# KiCad board v2_1.kicad_pcb (continued)
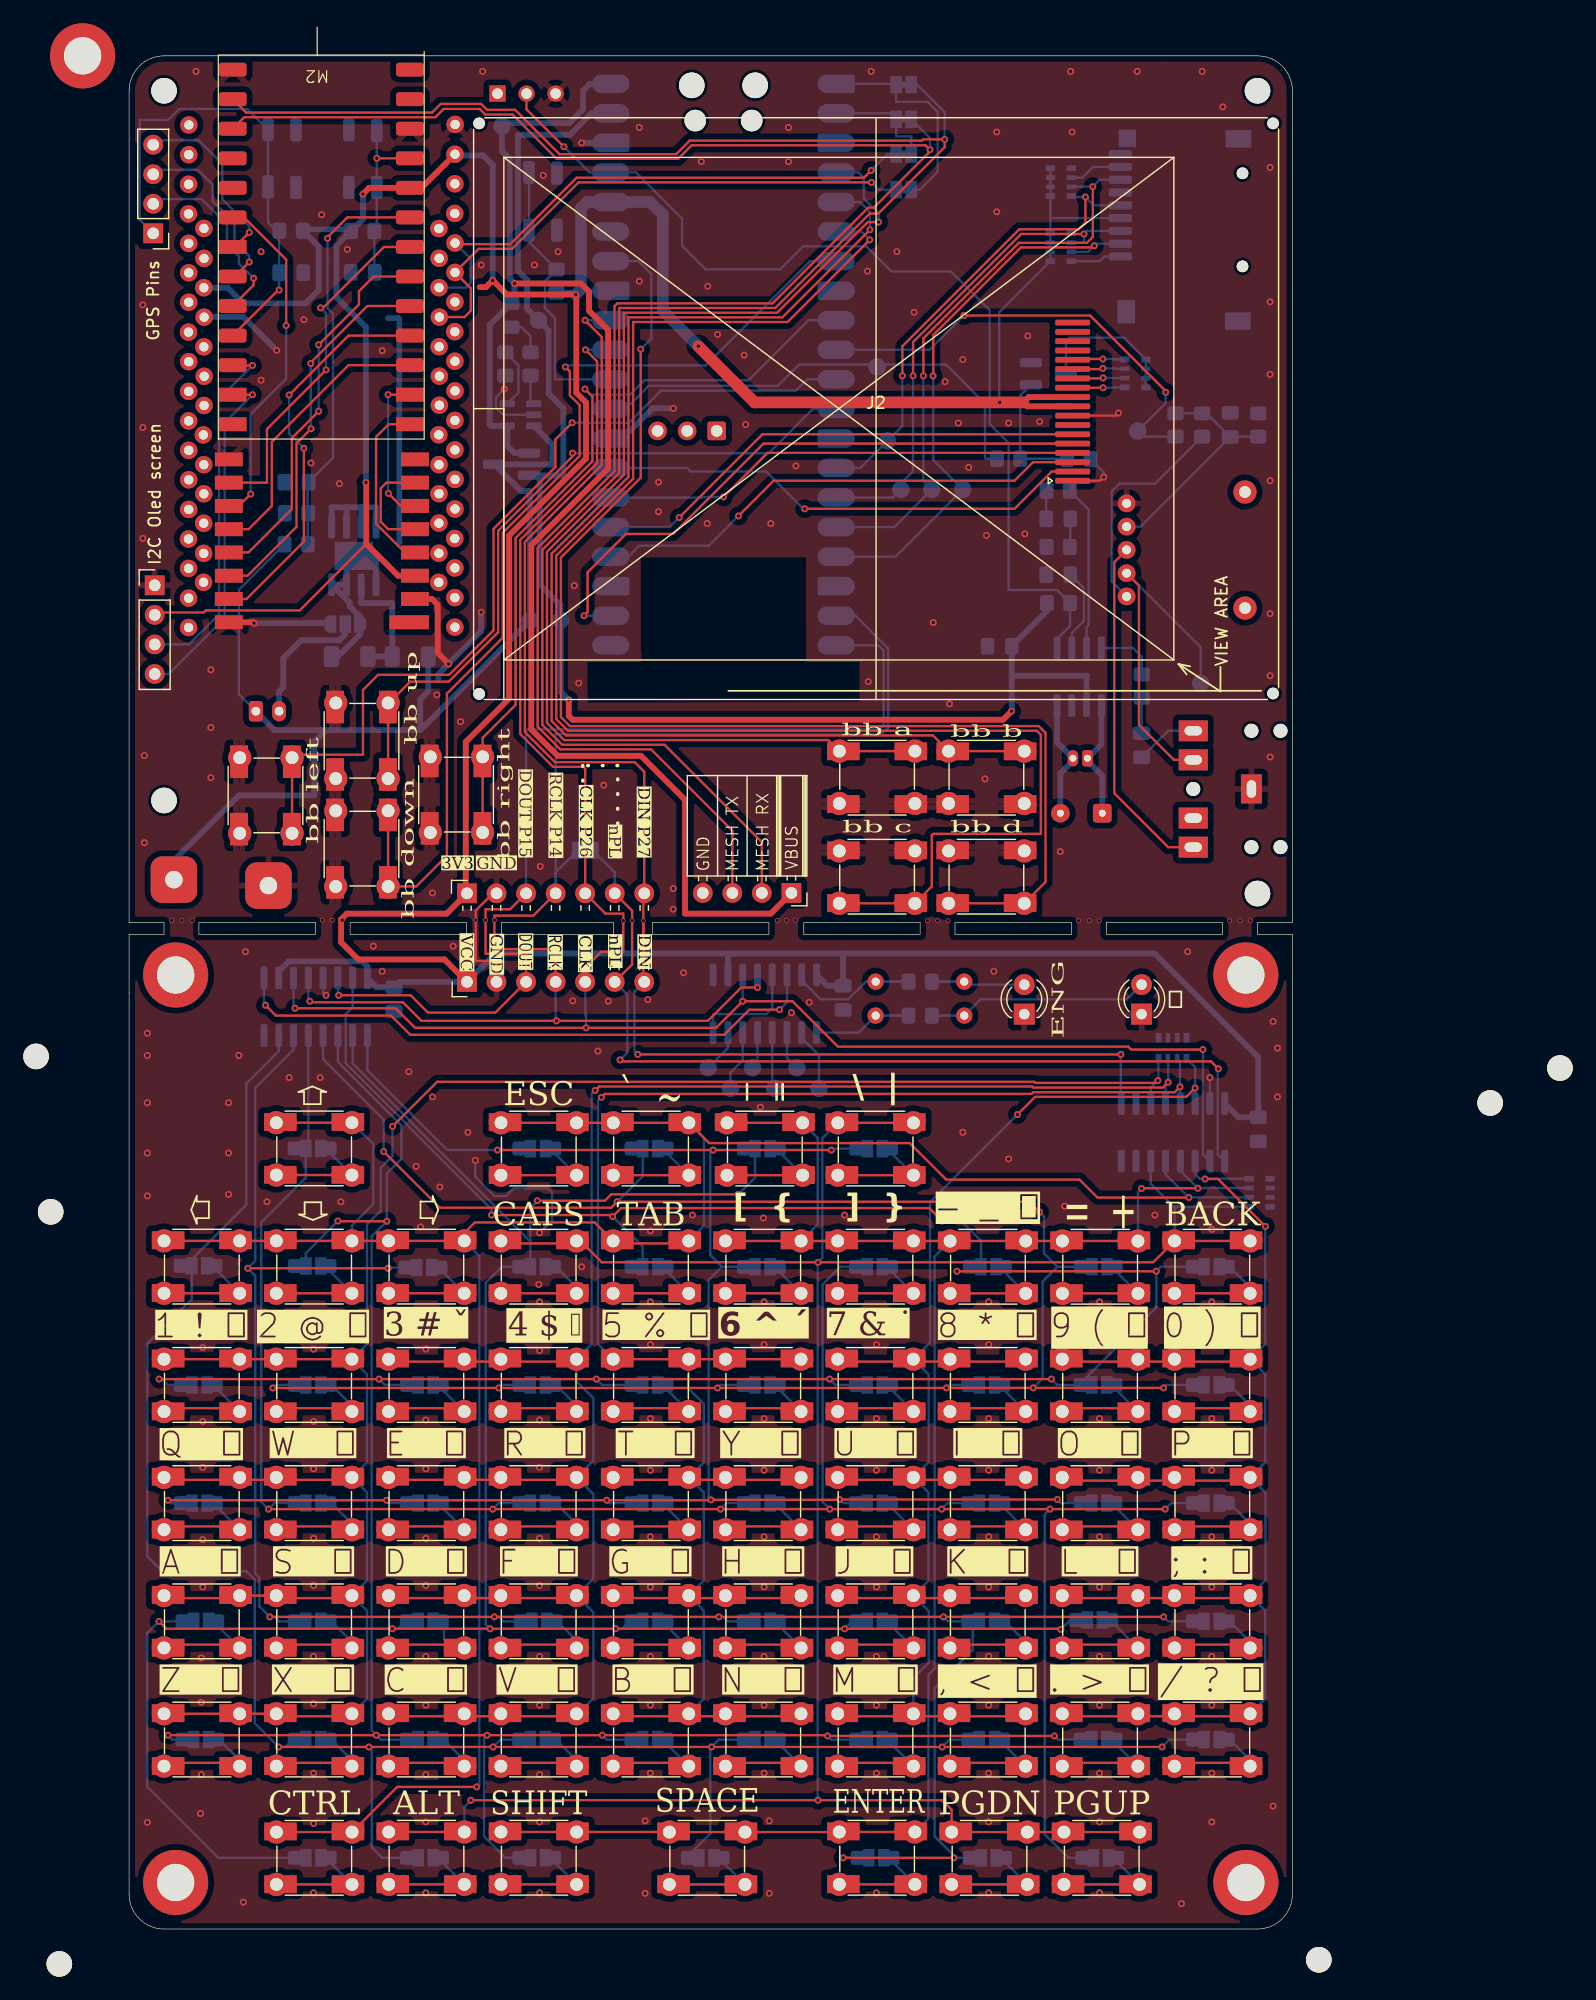
[diagram p0: board, top side]
## Footprints (pads in the part's own frame, mm; a bottom-side part is the same pattern mirrored in y, then rotated)
audiojack-3.5mm-5p
  round 1.2 hole 1.2 unplated: (-7.5,-5) (-7.5,5) (-5,-5) (-5,5) (0,0)
  rect 2.5x1.8 hole 1.5x0.8: R(0,5) RN(0,2.5) T(0,-5) TN(0,-2.5)
  rect 1.8x2.5 hole 0.8x1.5: S(-5,0)
C_0805_2012Metric_Pad1.18x1.45mm_HandSolder
  rrect 1.175x1.45 smd: 1(-1.038,0) 2(1.038,0)
C_1206_3216Metric_Pad1.33x1.80mm_HandSolder
  rrect 1.325x1.8 smd: 1(-1.562,0) 2(1.562,0)
D_0805_JUMPER
  rrect 0.9x1.2 smd: 1(-1.48,0) 2(1.82,0)
  rect 0.508x1.2 smd: 1(-0.935,0)
  rect 1x1.5 smd: 1(-0.584,0) 2(0.716,0)
  rect 0.635x1.2 smd: 2(1.288,0)
Hirose_DF13-02P-1.25DSA_1x02_P1.25mm_Vertical
  rrect 0.9x1.4 hole 0.6: 1(0,0)
  oval 0.9x1.4 hole 0.6: 2(1.25,0)
HT-RA62  RA-01SH LoRa radio
  rect 3.4x1.2 smd: 1(-7.22,13.919)
  rect 2.4x1.2 smd: 2(-7.72,11.919) 3(-7.72,9.919) 4(-7.72,7.919) 5(-7.72,5.919) 6(-7.72,3.919) 7(-7.72,1.919) 8(-7.72,-0.081) 9(8.28,-0.081) 10(8.28,1.919) 11(8.28,3.919) 12(8.28,5.919) 13(8.28,7.919) 14(8.28,9.919) 15(8.28,11.919) 16(8.28,13.919)
JST_PH_B2B-PH-K_1x02_P2.00mm_Vertical
  rrect 1.2x1.75 hole 0.75: 1(0,0)
  oval 1.2x1.75 hole 0.75: 2(2,0)
LED_0805_2012Metric_Pad1.15x1.40mm_HandSolder
  rrect 1.15x1.4 smd: 1(-1.025,0) 2(1.025,0)
LED_D3.0mm_Clear
  rect 1.8x1.8 hole 0.9: 1(0,0)
  round 1.8 hole 0.9: 2(2.54,0)
LoRa-ESP32-V3
  round 1.5 hole 0.8: 1(-11.44,22.96) 2(-11.45,20.4) 3(-11.46,17.86) 4(-11.47,15.31) 5(-11.45,12.78) 6(-11.45,10.25) 7(-11.45,7.72) 8(-11.47,5.15) 9(-11.45,2.61) 10(-11.45,0.06) 11(-11.46,-2.48) 12(-11.45,-5.01) 13(-11.45,-7.54) 14(-11.45,-10.09) 15(-11.47,-12.63) 16(-11.46,-15.16) 17(-11.46,-17.71) 18(-11.46,-20.24) 19(11.43,-20.21) 20(11.43,-17.67) 21(11.43,-15.12) 22(11.42,-12.59) 23(11.44,-10.05) 24(11.44,-7.51) 25(11.43,-4.97) 26(11.43,-2.44) 27(11.44,0.1) 28(11.43,2.65) 29(11.42,5.19) 30(11.43,7.75) 31(11.44,10.28) 32(11.44,12.81) 33(11.42,15.35) 34(11.43,17.9) 35(11.44,20.44) 36(11.45,23)
MountingHole_2.2mm_M2_DIN965
  round 2.2 hole 2.2 unplated: (0,0)
MountingHole_3.2mm_M3_DIN965_Pad
  round 5.6 hole 3.2: 1(0,0)
PinHeader_1x04_P2.54mm_Vertical
  rect 1.7x1.7 hole 1: 1(0,0)
  oval 1.7x1.7 hole 1: 2(0,-2.54) 3(0,-5.08) 4(0,-7.62)
PinHeader_1x07_P2.54mm_Horizontal
  rect 1.7x1.7 hole 1: 1(0,0)
  oval 1.7x1.7 hole 1: 2(0,-2.54) 3(0,-5.08) 4(0,-7.62) 5(0,-10.16) 6(0,-12.7) 7(0,-15.24)
PinSocket_1x04_P2.54mm_Horizontal
  rect 1.7x1.7 hole 1: 1(0,0)
  oval 1.7x1.7 hole 1: 2(0,-2.54) 3(0,-5.08) 4(0,-7.62)
PinSocket_1x07_P2.54mm_Horizontal
  rect 1.7x1.7 hole 1: 1(0,0)
  oval 1.7x1.7 hole 1: 2(0,-2.54) 3(0,-5.08) 4(0,-7.62) 5(0,-10.16) 6(0,-12.7) 7(0,-15.24)
potentiometre disk 5pin
  oval 1.524x1.524 hole 0.762: 1(-4,0) 2(-2,0) 3(4,0) 4(0,0) 5(2,0)
  oval 2x2 hole 1: 6(-5,10.175) 7(4.975,10.175)
ProMicro nrf52840
  rrect 2.4x1.2 smd: 1(7.264,-0.051) 2(7.264,2.489) 3(7.264,5.029) 4(7.264,7.569) 5(7.264,10.109) 6(7.264,12.649) 7(7.264,15.189) 8(7.264,17.729) 9(7.264,20.269) 10(7.264,22.809) 11(7.264,25.349) 16(-7.972,25.349) 17(-7.972,22.809) 18(-7.972,20.269) 19(-7.972,17.729) 20(-7.972,15.189) 21(-7.972,12.649) 22(-7.972,10.109) 23(-7.972,7.569) 24(-7.972,5.029) 25(-7.972,2.489) 26(-7.972,-0.051)
  rect 2.4x1.2 smd: 12(7.264,27.889) 13(7.264,30.429) 14(-7.972,30.429) 15(-7.972,27.889)
R_0805_2012Metric_Pad1.20x1.40mm_HandSolder
  rrect 1.2x1.4 smd: 1(-1,0) 2(1,0)
R_1206_3216Metric_Pad1.30x1.75mm_HandSolder
  rrect 1.3x1.75 smd: 1(-1.55,0) 2(1.55,0)
R_Array_Convex_4x0603
  rect 0.8x0.5 smd: 1(-0.9,1.2) 4(-0.9,-1.2) 5(0.9,-1.2) 8(0.9,1.2)
  rect 0.8x0.4 smd: 2(-0.9,0.4) 3(-0.9,-0.4) 6(0.9,-0.4) 7(0.9,0.4)
R_Axial_DIN0204_L3.6mm_D1.6mm_P7.62mm_Horizontal_0805
  round 1.4 hole 0.7: 1(0,0)
  rect 2x0.25 smd: 1(1.397,0) 2(6.223,0)
  rrect 1.2x1.4 smd: 1(2.826,0) 2(4.826,0)
  oval 1.4x1.4 hole 0.7: 2(7.62,0)
RaspberryPi_Pico_W_SMD_HandSolder
  rect 3.8x2.2 smd: (-8.89,-24.13) (-8.89,-21.59) (-8.89,-19.05) (-8.89,-16.51) (-8.89,-13.97) (-8.89,-11.43) (-8.89,-8.89) (-8.89,-6.35) (-8.89,-3.81) (-8.89,-1.27) (-8.89,1.27) (-8.89,3.81) (-8.89,6.35) (-8.89,8.89) (-8.89,11.43) (-8.89,13.97) (-8.89,16.51) (-8.89,19.05) (-8.89,21.59) (-8.89,24.13) (8.89,-24.13) (8.89,-21.59) (8.89,-19.05) (8.89,-16.51) (8.89,-13.97) (8.89,-11.43) (8.89,-8.89) (8.89,-6.35) (8.89,-3.81) (8.89,-1.27) (8.89,1.27) (8.89,3.81) (8.89,6.35) (8.89,8.89) (8.89,11.43) (8.89,13.97) (8.89,16.51) (8.89,19.05) (8.89,21.59) (8.89,24.13)
  round 2.2 hole 2.2 unplated: (-2.725,24) (2.725,24)
  round 1.85 hole 1.85 unplated: (-2.425,20.97) (2.425,20.97)
  custom 3.2x1.6 smd: 1(-9.69,24.13) 3(-9.69,19.05) 8(-9.69,6.35) 13(-9.69,-6.35) 18(-9.69,-19.05) 23(9.69,-19.05) 28(9.69,-6.35) 33(9.69,6.35) 38(9.69,19.05)
  rrect 3.2x1.6 smd: 2(-9.69,21.59) 4(-9.69,16.51) 5(-9.69,13.97) 6(-9.69,11.43) 7(-9.69,8.89) 9(-9.69,3.81) 10(-9.69,1.27) 11(-9.69,-1.27) 12(-9.69,-3.81) 14(-9.69,-8.89) 15(-9.69,-11.43) 16(-9.69,-13.97) 17(-9.69,-16.51) 19(-9.69,-21.59) 20(-9.69,-24.13) 21(9.69,-24.13) 22(9.69,-21.59) 24(9.69,-16.51) 25(9.69,-13.97) 26(9.69,-11.43) 27(9.69,-8.89) 29(9.69,-3.81) 30(9.69,-1.27) 31(9.69,1.27) 32(9.69,3.81) 34(9.69,8.89) 35(9.69,11.43) 36(9.69,13.97) 37(9.69,16.51) 39(9.69,21.59) 40(9.69,24.13)
  rrect 1.6x1.6 hole 1: D1(0.584,-5.7)
  round 1.6 hole 1: D2(3.124,-5.7) D3(5.664,-5.7)
sd-card
  rect 1.5x2 smd: (1.55,16.25)
  rect 1.5x1.5 smd: (1.65,1.35)
  rect 2.2x1.5 smd: (11.15,17.05) (11.2,1.4)
  round 1 hole 1 unplated: (11.55,4.35) (11.55,12.35)
  rrect 2x0.7 smd: 1(1.05,11.5) 2(1.05,10.4) 3(1.05,9.3) 4(1.05,8.2) 5(1.05,7.1) 6(1.05,6) 7(1.05,4.9) 8(1.05,3.8) 9(1.05,2.7)
skrp
  rrect 2x1 smd: 1(-0.95,3) 2(4,3) 3(-0.9,0.6) 4(4,0.6)
SOIC-8-1EP_3.9x4.9mm_P1.27mm_EP2.41x3.3mm
  rrect 0.97x1.33 smd: (-0.6,-0.825) (-0.6,0.825) (0.6,-0.825) (0.6,0.825)
  rrect 1.95x0.6 smd: 1(-2.475,1.905) 2(-2.475,0.635) 3(-2.475,-0.635) 4(-2.475,-1.905) 5(2.475,-1.905) 6(2.475,-0.635) 7(2.475,0.635) 8(2.475,1.905)
  rect 2.41x3.3 smd: 9(0,0)
SOIC-8_3.9x4.9mm_P1.27mm
  rrect 1.95x0.6 smd: 1(-2.475,1.905) 2(-2.475,0.635) 3(-2.475,-0.635) 4(-2.475,-1.905) 5(2.475,-1.905) 6(2.475,-0.635) 7(2.475,0.635) 8(2.475,1.905)
SOIC-16_3.9x9.9mm_P1.27mm
  rrect 1.95x0.6 smd: 1(-2.475,4.445) 2(-2.475,3.175) 3(-2.475,1.905) 4(-2.475,0.635) 5(-2.475,-0.635) 6(-2.475,-1.905) 7(-2.475,-3.175) 8(-2.475,-4.445) 9(2.475,-4.445) 10(2.475,-3.175) 11(2.475,-1.905) 12(2.475,-0.635) 13(2.475,0.635) 14(2.475,1.905) 15(2.475,3.175) 16(2.475,4.445)
SolderJumper-2_P1.3mm_Bridged_Pad1.0x1.5mm
  rect 1x1.5 smd: 1(-0.65,0) 2(0.65,0)
SolderJumper-2_P1.3mm_Bridged_Pad1.0x1.5mm#2
  rect 1x1.5 smd: 1(-0.65,0) 2(0.65,0)
SolderJumper-3_P1.3mm_Open_RoundedPad1.0x1.5mm
  custom 1.05x1.5 smd: 1(-1.3,0) 3(1.3,0)
  rect 1x1.5 smd: 2(0,0)
SolderWire-0.1sqmm_1x02_P3.6mm_D0.4mm_OD1mm
  rrect 1.6x1.6 hole 0.6: 1(0,0)
  round 1.6 hole 0.6: 2(3.6,0)
SOT-23-5
  rrect 1.325x0.6 smd: 1(-1.137,0.95) 2(-1.137,0) 3(-1.137,-0.95) 4(1.137,-0.95) 5(1.137,0.95)
SOT-23_Handsoldering
  rrect 1.9x0.8 smd: 1(-1.5,0.95) 2(-1.5,-0.95) 3(1.5,0)
STP0280A1-240320
  round 1.2 hole 1 unplated: (-34.125,24.52) (-34.125,-24.52) (34.125,24.52) (34.125,-24.48)
  rrect 3x0.5 smd: 1(16.9,-6.2) 2(16.9,-5.4) 3(16.9,-4.6) 4(16.9,-3.8) 5(16.9,-3) 6(16.9,-2.2) 7(16.9,-1.4) 8(16.9,-0.6) 9(16.9,0.2) 10(16.9,1) 11(16.9,1.8) 12(16.9,2.6) 13(16.9,3.4) 14(16.9,4.2) 15(16.9,5) 16(16.9,5.8) 17(16.9,6.6) 18(16.9,7.4)
SW_CuK_JS202011AQN_DPDT_Angled
  rect 1.4x1.4 hole 0.9: 1(0,0)
  round 1.4 hole 0.9: 2(2.5,0) 3(5,0)
SW_Push_1P1T_NO_CK_KSC7xxJ
  round 2 hole 1.1: 1(-3.251,2.214) 1(3.249,2.214) 2(-3.251,-2.286) 2(3.249,-2.286)
  rect 2.8x1 smd: 1(-2.9,2.54) 1(-2.9,2) 1(2.9,2.54) 1(2.9,2) 2(-2.9,-2) 2(-2.9,-2.54) 2(2.896,-2.54) 2(2.9,-2)
T114
  round 1.5 hole 0.8: 1(-10.17,16.58) 2(-10.16,14) 3(-10.18,11.48) 4(-10.15,8.95) 5(-10.18,6.4) 6(-10.15,3.87) 7(-10.16,1.36) 8(-10.22,-1.17) 9(-10.18,-3.73) 10(-10.18,-6.23) 11(-10.19,-8.76) 12(-10.19,-11.35) 13(-10.2,-13.84) 14(10.02,-13.84) 15(10.03,-11.34) 16(10.03,-8.75) 17(10.04,-6.22) 18(10.04,-3.73) 19(10.02,-1.16) 20(10.07,1.38) 21(10.07,3.88) 22(10.05,6.41) 23(10.07,8.96) 24(10.04,11.49) 25(10.05,14.01) 26(10.03,16.57)
TestPoint_Pad_D1.5mm
  round 1.5 smd: 1(0,0)
TestPoint_THTPad_5.0x5.0mm_Drill2.0mm
  rrect 4x4 hole 1.5: 1(0,0)

## Nets
+3.3V: C1.1 C2.1 C3.1 J1.1 J2.9 J2.10 J3.1 J5.2 J10.4 M1.3 M2.22 M3.35 M4.3 R7.2 R15.1 R18.2 RN4.5 RN4.6 RN4.7 RN4.8 RN5.5 RN5.6 RN5.7 RN5.8 U1.10 U1.16 U2.16 U3.36 U4.10 U4.16
/VBUS: D65.2 J4.1 Q2.1 TP2.1 U3.40 U5.4
GND: C1.2 C2.2 C3.2 C4.2 C7.2 C8.2 C9.2 C10.1 C11.2 D63.1 D64.1 J1.2 J2.1 J2.8 J3.2 J4.4 J5.1 J6.S J10.6 JP4.3 M1.2 M1.9 M1.16 M2.1 M2.24 M3.36 M4.4 Q1.2 R4.1 R5.2 R9.2 R11.1 R17.2 RN1.1 RN1.2 RN1.3 RN1.4 RN2.1 RN2.2 RN2.3 RN2.4 RV1.3 SW63.1 SW64.3 SW65.1 SW66.1 SW67.1 SW68.1 SW69.1 SW70.1 SW71.1 SW72.3 SW72.4 SW75.1 SW75.2 SW76.1 SW76.2 TP7.1 U1.8 U1.13 U2.8 U2.15 U3.3 U3.8 U3.13 U3.18 U3.23 U3.28 U3.33 U3.38 U5.2 U6.7 U7.1 U7.2 U7.3 U7.4
+BATT: BT1.1 Q2.3 R16.2 R19.2 TP5.1 TP6.1 U5.3
-BATT: BT1.2 JP4.2
/Batt%: C11.1 M2.21 R16.1 R17.1
/BL_P22: R3.2 TP1.1 U3.29
/BTN: C10.2 J9.1 M2.10 R18.1 SW76.3 SW76.4
/BTN_A_P2: SW68.2 U3.4
/BTN_ALT_P28: SW71.2 U3.34
/BTN_B_P3: SW69.2 U3.5
/BTN_DOWN_P5: SW65.2 U3.7
/BTN_LEFT_P8: SW66.2 U3.11
/BTN_MENU_P4: SW70.2 U3.6
/BTN_RIGHT_P6: SW67.2 U3.9
/BTN_UP_P9: SW63.2 U3.12
/BUSY: M1.10 M2.20
/CS: M1.15 M2.17
/CS_P17: J2.5 U3.22
/DC_P20: J2.4 U3.26
/DIO1: M1.6 M2.15
/EN: R14.1 SW64.2 U3.37 U6.1
/ESP32_LORA_RX: JP5.2 M3.31 M4.23
/ESP32_LORA_TX: JP6.2 M3.32 M4.24
/LED-: J2.14 RN3.4
/MISO: M1.13 M2.19
/MISO_P16: U3.21
/MOSI: M1.14 M2.18
/MOSI_P19: J2.6 U3.25
/NRF_RX: J4.2 JP2.2 M2.2
/NRF_TX: J4.3 JP3.2 M2.3
/P0_TX: JP2.1 JP5.1 U3.1
/P1_RX: JP3.1 JP6.1 U3.2
/RST: M1.4 M2.14
/RST_BTN: C9.1 M2.23 R15.2 SW75.3 SW75.4
/RST_P21: J2.2 U3.27
/RUN: R7.1 SW72.1 SW72.2 U3.30
/RXEN: M1.11 M2.6
/SCK: M1.12 M2.16
/SCK_P18: J2.3 U3.24
/SCL: J5.3 M2.11
/SD_CS_P13: J10.2 RN4.3 TP18.1 U3.17
/SD_DAT1: J10.8 RN5.2
/SD_DAT2: J10.1 RN4.4
/SD_MISO_P12: J10.7 RN5.3 TP17.1 U3.16
/SD_MOSI_P11: J10.3 RN4.2 TP16.1 U3.15
/SD_SCK_P10: J10.5 RN5.4 TP19.1 U3.14
/SDA: J5.4 M2.12
/SND_P7: R8.1 TP8.1 U3.10
/T1G: J9.2 M2.9
/VSYS: C7.1 Q2.2 R14.2 TP3.1 TP4.1 U3.39 U6.6
CLK: J1.5 J3.5 U1.11 U2.2 U3.31 U4.11
DI: J1.7 J3.7 U2.9 U3.32
DO: J1.3 J3.3 U1.14 U3.20
nPL: J1.6 J3.6 JP1.2 U2.1
RCLK: J1.4 J3.4 JP1.1 U1.12 U3.19 U4.12
x0: D1.2 D9.2 D17.2 D25.2 D33.2 D41.2 D50.2 D54.2 U1.15
x1: D2.2 D10.2 D18.2 D26.2 D34.2 D42.2 D55.2 D62.2 U1.1
x2: D3.2 D11.2 D19.2 D27.2 D35.2 D43.2 D51.2 D52.2 U1.2
x3: D4.2 D12.2 D20.2 D28.2 D36.2 D44.2 D59.2 U1.3
x4: D5.2 D13.2 D21.2 D29.2 D37.2 D45.2 D49.2 U1.4
x5: D6.2 D14.2 D22.2 D30.2 D38.2 D46.2 D56.2 D58.2 U1.5
x6: D7.2 D15.2 D23.2 D31.2 D39.2 D47.2 D57.2 D61.2 U1.6
x7: D8.2 D16.2 D24.2 D32.2 D40.2 D48.2 D53.2 D60.2 U1.7
y0: RN1.8 SW1.1 SW2.1 SW3.1 SW4.1 SW5.1 SW6.1 SW7.1 SW8.1 U2.11
y1: RN1.7 SW9.1 SW10.1 SW11.1 SW12.1 SW13.1 SW14.1 SW15.1 SW16.1 U2.12
y2: RN1.6 SW17.1 SW18.1 SW19.1 SW20.1 SW21.1 SW22.1 SW23.1 SW24.1 U2.13
y3: RN1.5 SW25.1 SW26.1 SW27.1 SW28.1 SW29.1 SW30.1 SW31.1 SW32.1 U2.14
y4: RN2.8 SW33.1 SW34.1 SW35.1 SW36.1 SW37.1 SW38.1 SW39.1 SW40.1 U2.3
y5: RN2.7 SW41.1 SW42.1 SW43.1 SW44.1 SW45.1 SW46.1 SW47.1 SW48.1 U2.4
y6: RN2.6 SW49.1 SW50.1 SW52.1 SW58.1 SW59.1 SW60.1 SW61.1 SW62.1 U2.5
y7: RN2.5 SW51.1 SW53.1 SW54.1 SW55.1 SW56.1 SW57.1 U2.6
Net-(C4-Pad1): C4.1 R8.2 R9.1 R10.2 RV1.5
Net-(C5-Pad1): C5.1 R11.2
Net-(C5-Pad2): C5.2 R12.1
Net-(C6-Pad1): C6.1 J6.R
Net-(C6-Pad2): C6.2 R13.1
Net-(D1-K): D1.1 SW1.2
Net-(D2-K): D2.1 SW2.2
Net-(D3-K): D3.1 SW3.2
Net-(D4-K): D4.1 SW4.2
Net-(D5-K): D5.1 SW5.2
Net-(D6-K): D6.1 SW6.2
Net-(D7-K): D7.1 SW7.2
Net-(D8-K): D8.1 SW8.2
Net-(D9-K): D9.1 SW9.2
Net-(D10-K): D10.1 SW10.2
Net-(D11-K): D11.1 SW11.2
Net-(D12-K): D12.1 SW12.2
Net-(D13-K): D13.1 SW13.2
Net-(D14-K): D14.1 SW14.2
Net-(D15-K): D15.1 SW15.2
Net-(D16-K): D16.1 SW16.2
Net-(D17-K): D17.1 SW17.2
Net-(D18-K): D18.1 SW18.2
Net-(D19-K): D19.1 SW19.2
Net-(D20-K): D20.1 SW20.2
Net-(D21-K): D21.1 SW21.2
Net-(D22-K): D22.1 SW22.2
Net-(D23-K): D23.1 SW23.2
Net-(D24-K): D24.1 SW24.2
Net-(D25-K): D25.1 SW25.2
Net-(D26-K): D26.1 SW26.2
Net-(D27-K): D27.1 SW27.2
Net-(D28-K): D28.1 SW28.2
Net-(D29-K): D29.1 SW29.2
Net-(D30-K): D30.1 SW30.2
Net-(D31-K): D31.1 SW31.2
Net-(D32-K): D32.1 SW32.2
Net-(D33-K): D33.1 SW33.2
Net-(D34-K): D34.1 SW34.2
Net-(D35-K): D35.1 SW35.2
Net-(D36-K): D36.1 SW36.2
Net-(D37-K): D37.1 SW37.2
Net-(D38-K): D38.1 SW38.2
Net-(D39-K): D39.1 SW39.2
Net-(D40-K): D40.1 SW40.2
Net-(D41-K): D41.1 SW41.2
Net-(D42-K): D42.1 SW42.2
Net-(D43-K): D43.1 SW43.2
Net-(D44-K): D44.1 SW44.2
Net-(D45-K): D45.1 SW45.2
Net-(D46-K): D46.1 SW46.2
Net-(D47-K): D47.1 SW47.2
Net-(D48-K): D48.1 SW48.2
Net-(D49-K): D49.1 SW49.2
Net-(D50-K): D50.1 SW50.2
Net-(D51-K): D51.1 SW51.2
Net-(D52-K): D52.1 SW52.2
Net-(D53-K): D53.1 SW53.2
Net-(D54-K): D54.1 SW54.2
Net-(D55-K): D55.1 SW55.2
Net-(D56-K): D56.1 SW56.2
Net-(D57-K): D57.1 SW57.2
Net-(D58-K): D58.1 SW58.2
Net-(D59-K): D59.1 SW59.2
Net-(D60-K): D60.1 SW60.2
Net-(D61-K): D61.1 SW61.2
Net-(D62-K): D62.1 SW62.2
Net-(D63-A): D63.2 R1.2
Net-(D64-A): D64.2 R2.2
Net-(D65-K): D65.1 R6.1
Net-(J2-Pin_11): J2.11 RN3.1
Net-(J2-Pin_12): J2.12 RN3.2
Net-(J2-Pin_13): J2.13 RN3.3
Net-(J6-PadRN): J6.RN RV1.2 TP9.1
Net-(J6-PadT): J6.T RV1.4
Net-(J7-Pin_1): J7.1 J8.1 U6.5
Net-(J7-Pin_2): J7.2 J8.2 U6.8
Net-(J9-Pin_3): J9.3 M2.8
Net-(J9-Pin_4): J9.4 M2.7
Net-(JP4-A): C12.1 JP4.1 U7.5 U7.7 U7.8 U7.9
Net-(M1-DIO2): M1.5 M1.7
Net-(Q1-D): Q1.3 RN3.5 RN3.6 RN3.7 RN3.8
Net-(Q1-G): Q1.1 R3.1 R4.2
Net-(R10-Pad1): R10.1 RV1.1
Net-(U1-QH'): U1.9 U4.14
Net-(U4-GND): U4.8 U4.13
Net-(U4-QA): R2.1 U4.15
Net-(U4-QB): R1.1 U4.1
Net-(U4-QC): TP10.1 U4.2
Net-(U4-QD): TP11.1 U4.3
Net-(U4-QE): TP12.1 U4.4
Net-(U4-QF): TP13.1 U4.5
Net-(U4-QG): TP14.1 U4.6
Net-(U4-QH): TP15.1 U4.7
Net-(U5-PROG): R5.1 U5.5
Net-(U5-STAT): R6.2 U5.1
Net-(U6-IN+): R12.2 U6.3
Net-(U6-IN-): R13.2 U6.4
Net-(U6-NC): C8.1 U6.2
Net-(U7-VDD): C12.2 R19.1 U7.6

Pads without a net: J2 7 15 16 17 18; J6 TN; J10 9; M1 1 8; M2 4 5 13 25 26; M3 1 2 3 4 5 6 7 8 9 10 11 12 13 14 15 16 17 18 19 20 21 22 23 24 25 26 27 28 29 30 33 34; M4 1 2 5 6 7 8 9 10 11 12 13 14 15 16 17 18 19 20 21 22 25 26; REF**#3 1; REF**#5 1; REF**#8 1; REF**#10 1; REF**#11 1; RN4 1; RN5 1; RV1 6 7; SW64 1; U2 7 10; U3 35 D1 D2 D3; U4 9

## Via types
v1: diameter 0.6, hole 0.3, Top to Bottom, 404 vias
v2: diameter 0.4, hole 0.3, Top to Bottom, 24 vias

## Routing (per net, layer and track width the routed paths; a pad name or vN(x,y) marks a point on that pad's centre or on a via; arc(x,y) is an arc through that point)
+3.3V: length 397.1
  Top w0.2: 20.38,119.05 14.66,113.33 6.59,113.33 6.41,113.16 2.4,113.16 J5.2
  Top w0.5: 30.14,141.12 30.67,141.12 v1(31.25,141.71) 32.47,140.49 v1(38.39,140.49) 38.44,140.44 38.44,132.05 39.28,131.21 39.28,126.39 32.67,119.78 32.67,105.77 28.94,102.04 28.94,89.12 J3.1 27.3,87.27 18.71,87.27 18.22,86.79 18.22,84.81 19.7,83.34 27.11,83.34 J1.1 29.04,81.4 ; M1.3 23.12,116.32 20.38,119.05 20.38,124.31 v1(20.36,124.33) ; v1(20.1,149.12) 20.64,149.66 M2.22 25.12,149.66 M3.35 ; J2.9 77.21,130.88 76.87,131.22 77.33,131.68 J2.10
  Top w1: 76.87,131.22 v1(74.84,131.22) 53.76,131.22 v1(48.93,136.04)
  Bottom w0.2: RN5.8 RN5.7 RN5.6 RN5.5 79.2,147.08 79.18,147.06 ; 79.18,147.06 79.19,147.05 J10.4 ; 79.18,147.06 79.19,147.06 RN4.8 RN4.7 RN4.6 RN4.5 74.79,138.95 74.79,131.27 v1(74.84,131.22) ; 61.38,83.59 61.38,83.72
  Bottom w0.5: 51.34,83.85 51.47,83.72 U4.10 ; 51.34,83.85 61.12,83.85 ; 51.34,83.85 31.48,83.85 J1.1 23.23,81.41 C3.1 21.29,80.94 20.48,81.75 20.48,82.72 20.03,83.17 13.73,83.17 12.87,82.3 12.87,81.75 ; 61.12,83.85 61.38,83.85 C2.1 60.02,81.07 U4.16 ; 61.12,83.85 88.15,83.85 97.07,74.93 C1.1 95.36,69.77 U2.16 ; R15.1 17.82,144.68 17.82,140.23 20.36,137.69 v1(20.36,124.33) ; R15.1 20.1,146.97 v1(20.1,149.12) ; R15.1 18.94,146.09 15.05,146.09 R18.2 16.29,144.61 16.29,140.87 15.15,139.72 9.82,139.72 8.47,141.07 M4.3 ; v1(31.25,141.71) 31.25,151.62 30.43,152.44 28.11,152.44 M3.35 ; v1(38.39,140.49) 38.25,140.63 R7.2
  Bottom w1: v1(48.93,136.04) 45.89,139.09 45.89,147.34 44.79,148.44 39.36,148.44 38.85,147.93 38.85,140.94 v1(38.39,140.49)
  vias: v2(18.33,86.71)
/VBUS: length 127.4
  Top w0.5: v1(33.13,141.43) 38.84,141.43 39.53,140.74 39.53,139.09 41.18,137.45 41.18,125.54 34.57,118.94 34.57,103.1 36.84,100.84 44,100.84 47.79,97.05 47.79,87.27 55.16,87.27 J4.1
  Bottom w0.5: U3.40 39.61,158.6 39.03,158.01 39.03,156.41 37.83,155.22 32.3,155.22 TP2.1 32.04,152.82 32.73,152.13 32.73,141.84 v1(33.13,141.43) 33.13,139.83 32.95,139.83 D65.2 30.99,137.87 30.99,129.31 31.1,129.2 U5.4 32.5,127.49 33.14,126.86 Q2.1
GND: length 93.3
  Top w0.2: J3.2 31.27,89.02 29.8,87.55 29.8,83.21 31.58,83.21 J1.2 ; v1(83.78,124.79) 83.47,124.48 J2.1 ; J2.8 84.83,130.08 v1(85.05,130.3)
  Top w0.5: v1(10.73,112.24) 10.66,112.32 M1.16 ; v1(27.47,108.74) 26.53,109.68 26.53,113.51 26.5,113.54 26.5,113.84 26.03,114.32 M1.2
  Bottom w0.2: U1.13 16.67,80.51 v1(16.93,80.25) ; R4.1 83.78,125.2 v1(83.78,124.79) ; U5.2 32.15,130.15 31.54,130.76 31.54,131.66 v1(32.25,132.36) 32.25,133.42 R5.2 ; v1(35.28,59.84) 36.36,60.92 36.36,63.27 35.98,63.65 33.06,63.65 32.41,63 31.41,63 29.76,64.65 v1(29.76,66.06) ; v1(92.91,73.18) U2.15
  Bottom w0.5: v1(12.69,135.69) 9.8,138.57 6.48,138.57 M4.4 ; v1(46.77,130.71) 45,130.71 42.41,128.12 U3.28 ; 26.58,107.47 26.58,107.85 v1(27.47,108.74) 30.26,111.53 v1(30.26,113.18) ; U7.4 21.22,122.2 19.98,122.2 ; 18.66,122.2 18.68,122.17 U7.2 ; 18.66,122.2 19.98,122.2 ; 18.66,122.2 17.41,122.2 U7.1 ; 19.98,122.2 19.95,122.17 U7.3 ; v1(10.73,112.24) 17.2,112.24 JP4.3 ; v1(38.9,153.52) U3.38
  vias: v1(1.18,139.6) v1(1.18,129.06) v1(1.18,119.53) v1(1.31,100.86) v1(1.31,93.37) v1(1.56,77) v1(1.56,75.08) v1(1.56,71.02) v1(1.56,66.7) v1(1.56,63.02) v1(1.56,9.17) v1(5.75,159.66) v1(6.13,9.93) v1(6.2,23.3) v1(6.2,19.49) v1(6.2,13.27) v1(6.33,49.97) v1(6.33,43.62) v1(6.33,39.69) v1(6.33,33.46) v1(6.33,29.4) v1(7.02,108.23) v1(7.02,103.28) v1(7.02,98.96) v1(8.55,71.02) v1(8.55,66.7) v1(8.55,63.14) v1(9.44,75.08) v1(9.82,2.31) v1(10,84) v1(11.34,144.17) v1(11.34,133.12) v1(11.85,62.51) v1(13.75,73.18) v1(15.02,138.33) v1(15.62,126.01) v1(15.85,49.84) v1(15.85,43.62) v1(15.85,39.56) v1(15.85,33.59) v1(15.85,29.53) v1(15.85,23.43) v1(15.85,19.37) v1(15.85,13.4) v1(15.85,9.08) v1(15.85,3.11) v1(16.42,73.18) v1(16.55,147.34) v1(18.07,124.23) v1(18.2,62.51) v1(18.76,144.37) v1(20.99,84.48) v1(21.75,135.66) v1(21.75,82.32) v1(24.04,73.68) v1(24.68,65.56) v1(25.06,60.35) v1(25.51,49.84) v1(25.51,43.75) v1(25.51,39.56) v1(25.51,33.59) v1(25.51,29.53) v1(25.51,23.43) v1(25.51,19.24) v1(25.51,13.27) v1(25.51,9.21) v1(25.51,3.11) v1(26.07,89.05) v1(26.07,71.53) v1(26.45,106.07) v1(26.71,63.78) v1(27.85,84.48) v1(28.49,103.78) v1(29.12,68.48) v1(30.26,143.03) v1(30.39,159.66) v1(34.84,143.03) v1(35.22,55.4) v1(35.34,91.34) v1(35.28,53.91) v1(35.28,49.72) v1(35.28,43.75) v1(35.28,39.69) v1(35.28,33.59) v1(35.28,29.53) v1(35.28,23.43) v1(35.28,19.24) v1(35.28,13.27) v1(35.28,9.21) v1(35.28,3.11) v1(35.6,150.72) v1(36.87,144.17) v1(38.14,79.78) v1(38.27,115.47) v1(38.65,107.08) v1(38.9,56.92) v1(40.3,75.46) v1(40.81,98.32) v1(41.19,79.75) v1(43.85,154.84) v1(43.85,141.63) v1(44.36,9.29) v1(44.36,3.07) v1(44.59,79.88) v1(44.81,60) v1(44.81,53.91) v1(44.81,50.23) v1(44.81,43.88) v1(44.81,39.43) v1(44.81,33.72) v1(44.81,29.4) v1(44.81,23.43) v1(44.81,19.24) v1(44.81,13.4) v1(45.5,124.36) v1(45.5,121.82) v1(46.77,89.43) v1(46.77,87.65) v1(47.66,82.19) v1(48.42,61.36) v1(49.19,151.92) v1(49.75,141.2) v1(49.69,120.8) v1(50.58,137.06) v1(52.87,135.28) v1(53,129.31) v1(54.27,70.64) v1(54.52,61.11) v1(54.59,53.91) v1(54.59,50.23) v1(54.59,43.88) v1(54.59,39.43) v1(54.59,33.72) v1(54.59,29.4) v1(54.59,23.43) v1(54.59,19.24) v1(54.59,13.4) v1(55.03,9.29) v1(55.03,3.07) v1(55.16,120.8) v1(56.68,154.84) v1(56.68,151.92) v1(56.93,78.76) v1(57.31,125.75) v1(58.46,79.65) v1(61.51,61.36) v1(63.46,142.49) v1(63.54,107.21) v1(63.79,159.66) v1(64.24,50.23) v1(64.24,43.88) v1(64.24,39.43) v1(64.24,33.72) v1(64.24,29.4) v1(64.24,23.43) v1(64.24,19.24) v1(64.24,13.4) v1(64.24,3.11) v1(66,144.17) v1(67.47,138.96) v1(69.13,112.29) v1(70.14,132.99) v1(70.52,105.31) v1(71.28,129.44) v1(71.67,134.9) v1(71.67,68.48) v1(72.17,125.63) v1(73.57,98.86) v1(73.7,119.78) v1(73.89,53.91) v1(73.89,50.23) v1(73.89,43.88) v1(73.89,39.43) v1(73.89,33.72) v1(73.89,29.4) v1(73.89,23.43) v1(73.89,19.24) v1(73.89,13.4) v1(73.89,9.21) v1(73.89,3.11) v1(74.33,82.32) v1(74.59,154.46) v1(74.59,147.6) v1(75.6,129.44) v1(75.6,66.19) v1(77,119.91) v1(77.25,136.93) v1(78.27,129.56) v1(80.05,92.61) v1(80.43,62.13) v1(80.94,159.66) v1(81.06,154.46) v1(83.42,53.91) v1(83.42,50.23) v1(83.42,43.88) v1(83.42,39.43) v1(83.42,33.72) v1(83.42,29.4) v1(83.42,23.43) v1(83.42,19.24) v1(83.42,13.4) v1(83.42,9.21) v1(83.42,3.11) v1(86.65,159.66) v1(88.18,61.36) v1(90.46,2.18) v1(91,84) v1(92.24,159.66) v1(93.07,60.13) v1(93.07,53.91) v1(93.07,50.23) v1(93.07,43.88) v1(93.07,39.43) v1(93.07,33.72) v1(93.07,29.4) v1(93.07,23.43) v1(93.07,19.24) v1(93.07,13.4) v1(93.07,9.21) v1(94.02,156.62) v1(98.08,151.41) v1(98.08,139.85) v1(98.08,133.63) v1(98.08,124.48) v1(98.08,113.05) v1(98.08,107.72) v1(98.08,100.73) v1(98.34,78) v1(98.34,10.56) v1(98.72,75.72) v1(98.72,71.53) v2(3.64,86.69) v2(4.53,86.69) v2(5.42,86.69) v2(16.6,86.71) v2(17.49,86.71) v2(29.8,86.71) v2(55.71,86.69) v2(56.5,86.69) v2(57.26,86.69) v2(68.62,86.66) v2(69.51,86.66) v2(70.4,86.66) v2(81.62,86.66) v2(82.51,86.66) v2(83.4,86.66) v2(94.6,86.66) v2(95.49,86.66) v2(96.38,86.66)
+BATT: length 97.5
  Bottom w0.2: BT1.1 9.44,106.13 9.44,115.1 R16.2
  Bottom w0.5: U5.3 36.36,127.62 36.36,125.88 31.41,125.88 Q2.3 33.69,123.59 34.45,123.59 34.45,112.52 TP5.1 25.03,103.05 ; BT1.1 12.52,103.05 16.9,103.05 ; R19.2 25.72,106.39 25.03,105.71 25.03,103.05 ; 16.9,103.05 15.91,102.06 15.91,97.43 9.44,97.43 3.85,91.84 TP6.1 ; 16.9,103.05 25.03,103.05
-BATT: length 11.8
  Bottom w0.5: BT1.2 12.89,106.37 13.25,106.73 13.25,109.21 14.8,110.77 18.07,110.77 18.58,111.28 JP4.2
/Batt%: length 35.3
  Top w0.2: v1(17.06,145.31) 17.06,145.41 18.76,147.12 M2.21
  Bottom w0.2: R16.1 15.36,121.66 R17.1 15.34,121.74 15.34,124.27 C11.1 17.53,126.46 17.53,138.84 17.06,139.31 17.06,143.4 v1(17.06,145.31)
/BL_P22: length 40.9
  Bottom w0.2: 41.4,131.08 43.11,131.08 44.67,132.64 55.76,132.64 57.59,134.47 64.1,134.47 TP1.1 64.5,134.47 70.22,134.47 73.58,131.11 73.58,126.43 73.65,126.36 R3.2
/BTN: length 42.3
  Top w0.2: M2.10 12.81,140.87 v1(12.89,140.87)
  Bottom w0.2: J9.1 0.92,146.89 0.92,155.47 0.95,155.5 3.37,155.5 4.31,156.44 10.15,156.44 SW76.4 SW76.3 11.94,146.68 12.65,145.97 R18.1 12.89,145.93 C10.2 v1(12.89,140.87)
/BTN_A_P2: length 102.4
  Top w0.2: SW68.2 66.95,101.24 SW68.2 60.11,102.19 37.4,102.19 35.92,103.66 35.92,118.38 42.53,124.98 42.53,138.92 55.71,138.92 63.49,146.71 v1(64.43,146.71)
  Bottom w0.2: U3.4 62.7,150.98 63.16,150.52 63.16,148.74 64.43,147.47 v1(64.43,146.71)
/BTN_ALT_P28: length 109.1
  Top w0.2: v1(43.98,135.79) 43.98,124.74 37.12,117.88 37.12,104.16 37.89,103.39 78.19,103.39 78.78,102.81 78.78,89.99 SW71.2 71.08,88.16 SW71.2
  Bottom w0.2: U3.34 43.78,143.36 44.89,142.24 44.89,136.7 v1(43.98,135.79)
/BTN_B_P3: length 107.8
  Top w0.2: v1(63.69,146.05) 56.16,138.52 42.93,138.52 42.93,124.82 36.32,118.21 36.32,103.83 37.56,102.59 69.1,102.59 SW69.2 SW69.2
  Bottom w0.2: U3.5 62.83,148.44 63.69,147.58 v1(63.69,146.05)
/BTN_DOWN_P5: length 86.9
  Top w0.2: v1(37.5,134.26) 37.89,133.88 37.89,131.82 38.73,130.98 38.73,126.62 32.12,120.01 32.12,110.99 27.32,106.19 27.32,92.25 24.68,89.61 SW65.2 SW65.2
  Bottom w0.2: v1(37.5,134.26) 37.63,134.39 49.57,134.39 58.53,143.36 U3.7
/BTN_LEFT_P8: length 76.5
  Top w0.2: v1(38.09,129.46) 36.64,128.02 36.64,125.66 31.32,120.34 31.32,111.62 27.5,107.8 21.4,107.8 20.1,106.5 20.1,100.93 14.26,100.93 SW66.2 SW66.2
  Bottom w0.2: U3.11 58.28,133.2 57.31,132.23 45.74,132.23 42.97,129.46 v1(38.09,129.46)
/BTN_MENU_P4: length 136.2
  Top w0.2: SW70.2 61.69,88.16 SW70.2 69,89.61 69,94 69.13,94.13 78.38,94.13 78.38,102.64 78.03,102.99 37.73,102.99 36.72,104 36.72,118.05 43.33,124.65 43.33,138.12 56.6,138.12 v1(63.67,145.19)
  Bottom w0.2: U3.6 62.95,145.9 v1(63.67,145.19)
/BTN_RIGHT_P6: length 66.7
  Top w0.2: SW67.2 SW67.2 30.39,102.39 33.22,105.22 33.22,119.56 39.83,126.16 39.83,131.72 v1(39.19,132.36)
  Bottom w0.2: v1(39.19,132.36) 39.67,131.88 43.07,131.88 44.31,133.12 53.25,133.12 58.41,138.28 U3.9
/BTN_UP_P9: length 60.8
  Top w0.2: v1(38.12,126.86) 38.12,126.57 31.72,120.18 31.72,111.46 27.48,107.21 24.16,107.21 22.33,105.38 SW63.2 SW63.2
  Bottom w0.2: v1(38.12,126.86) 38.13,126.85 54.98,126.85 58.79,130.66 U3.12
/BUSY: length 30.5
  Top w0.2: v1(16.93,134.01) 11.85,128.93 11.85,124.32 M1.10 ; v1(16.46,139.34) 16.67,139.34 21.91,144.58 M2.20
  Bottom w0.2: v1(16.46,139.34) 16.93,138.87 v1(16.93,134.01)
/CS: length 34.1
  Top w0.2: M2.17 18.86,136.96 v1(13.75,131.85) ; M1.15 10.09,114.32 15.02,119.25 v1(15.02,127.28)
  Bottom w0.2: v1(15.02,127.28) 13.75,128.55 v1(13.75,131.85)
/CS_P17: length 52.4
  Top w0.2: J2.5 54.54,127.68 46.77,119.91 42.71,119.91 39.41,116.61 39.41,113.18 v1(39.1,112.88)
  Bottom w0.2: v1(39.1,112.88) U3.22
/DC_P20: length 41.3
  Top w0.2: J2.4 54.88,126.88 v1(51.09,123.09)
  Bottom w0.2: U3.26 49.2,123.04 49.25,123.09 v1(51.09,123.09)
/DIO1: length 13.1
  Top w0.2: v1(22.29,123.39) 23.36,122.32 M1.6 ; v1(22.26,131.88) M2.15
  Bottom w0.2: v1(22.26,131.88) 22.26,123.42 v1(22.29,123.39)
/EN: length 86.1
  Top w0.2: SW64.2 34.16,156.4 v1(37.38,153.19)
  Bottom w0.2: U6.1 79.77,110.87 80.9,112 R14.1 79.78,115.09 75.63,115.09 75.6,115.11 75.6,127.74 73.98,129.36 73.98,139.14 70.65,142.47 65.53,142.47 63.38,144.63 57.95,144.63 55.97,142.65 49.57,142.65 47.54,144.68 47.54,147.01 43.57,150.98 39.59,150.98 v1(37.38,153.19)
/ESP32_LORA_RX: length 68.4
  Top w0.2: M4.23 28.84,138.55 29.38,139.09 29.38,141.02 M3.31 30.04,144.41 32.92,144.41 38.63,150.12 v1(63.81,150.12)
  Bottom w0.2: v1(63.81,150.12) 64.43,149.5 JP5.2
  Bottom w0.5: 22.26,138.45 23.15,138.45 23.23,138.38 23.23,119.23 23.25,119.2
/ESP32_LORA_TX: length 48.1
  Top w0.2: M3.32 28.11,144.81 32.76,144.81 38.47,150.52 63.16,150.52 v1(63.79,151.15)
  Bottom w0.2: M3.32 29.38,143.55 29.38,141.5 28.95,141.08 M4.24 ; v1(63.79,151.15) 65.19,152.55 JP6.2
/LED-: length 4.5
  Top w0.2: v1(83.71,134.94) 82.48,134.94 82.42,134.88 J2.14
  Bottom w0.2: v1(83.71,134.94) 84.62,134.94 84.66,134.9 RN3.4
/MISO: length 33
  Top w0.2: v1(16.29,130.45) 13.99,128.15 13.99,122.05 10.25,118.32 M1.13 ; v1(16.29,136.17) 19.76,139.63 19.76,140.78 21.02,142.04 M2.19
  Bottom w0.2: v1(16.29,130.45) v1(16.29,136.17)
/MOSI: length 32.7
  Top w0.2: M2.18 20.47,139.5 15.62,134.64 v1(15.62,134.56) ; M1.14 10.18,116.32 14.39,120.52 14.39,127.7 v1(15.64,128.95)
  Bottom w0.2: v1(15.62,134.56) 15.62,128.97 v1(15.64,128.95)
/MOSI_P19: length 43
  Top w0.2: J2.6 54.45,128.48 v1(47.28,121.31)
  Bottom w0.2: v1(47.28,121.31) 46.47,120.5 U3.25
/NRF_RX: length 170.8
  Top w0.2: M2.2 10.05,156.13 26.04,156.13 26.78,156.87 30.26,156.87 30.77,156.36 33.19,156.36 37,152.55 47.03,152.55 48.19,153.71 68.14,153.71 68.25,153.82 v1(70.11,153.82) 70.11,153.15 64.4,147.45 63.66,147.45 55.54,139.32 42.13,139.32 42.13,125.15 35.52,118.54 35.52,103.5 37.23,101.79 46.02,101.79 54.39,93.42 J4.2
  Bottom w0.2: JP2.2 67.74,158.52 70.11,156.16 v1(70.11,153.82)
/NRF_TX: length 163.8
  Top w0.2: J4.3 51.85,94.41 44.88,101.39 37.07,101.39 35.12,103.33 35.12,118.71 41.73,125.31 41.73,139.49 41.96,139.72 55.31,139.72 63.54,147.95 64.02,147.95 68.85,152.78 v1(68.85,152.93) 68.47,153.31 48.36,153.31 47.19,152.15 36.76,152.15 32.95,155.96 30.61,155.96 30.13,156.44 27.04,156.44 26.33,155.73 9.89,155.73 M2.3
  Bottom w0.2: v1(68.85,152.93) 68.85,153.94 JP3.2
/P0_TX: length 18.6
  Bottom w0.2: U3.1 65.86,158.6 JP2.1 65.94,157.05 68.64,157.05 69.51,156.18 69.51,151.04 67.97,149.5 JP5.1
/P1_RX: length 9.7
  Bottom w0.2: U3.2 65.43,156.06 JP3.1 65.94,154.07 67.24,154.07 JP6.1
/RST: length 15.2
  Top w0.2: M2.14 22.31,129.34 21.23,128.25 21.23,120.79 23.7,118.32 M1.4
/RST_BTN: length 15.2
  Top w0.2: v1(21.3,152.2) M2.23
  Bottom w0.2: v1(21.3,152.2) 21.29,152.2 ; C9.1 21.08,142.43 R15.2 21.29,146.16 SW75.4 SW75.3
/RST_P21: length 42.5
  Top w0.2: J2.2 79.32,125.28 76.11,122.07 v1(58.08,122.07)
  Bottom w0.2: U3.27 47.97,125.58 48.27,125.28 54.75,125.28 57.95,122.07 v1(58.08,122.07)
/RUN: length 24.3
  Bottom w0.2: SW72.1 SW72.2 34.38,144.99 R7.1 35.74,141.63 35.74,139.33 36.61,138.45 36.61,133.2 U3.30
/RXEN: length 29.8
  Top w0.2: M2.6 9.88,147.12 13.5,143.49 v1(13.5,137.82) ; M1.11 9.43,122.32 v1(10.45,123.34)
  Bottom w0.2: v1(10.45,123.34) 10.45,130.2 13.5,133.25 v1(13.5,137.82)
/SCK: length 24.6
  Top w0.2: M2.16 18.86,134.42 12.27,127.82 12.27,122.31 10.27,120.32 M1.12
/SCK_P18: length 43.1
  Top w0.2: J2.3 77.7,126.08 76.11,124.48 55.41,124.48 v1(52.38,121.46)
  Bottom w0.2: v1(52.38,121.46) 49.82,118.9 43.85,118.9 42.91,117.96 U3.24
/SCL: length 30.9
  Top w0.2: M2.11 8.93,134.39 v1(10.6,134.39)
  Bottom w0.2: J5.3 5.15,110.41 7.73,113 7.73,131.52 v1(10.6,134.39)
/SD_CS_P13: length 49.2
  Top w0.2: v1(82.97,144.68) 82.82,144.53 76.66,144.53 69.13,137 69.13,133.5 v1(69.11,133.48)
  Bottom w0.2: RN4.3 82.44,144.15 v1(82.97,144.68) 83.15,144.85 J10.2 ; U3.17 65.9,117.96 TP18.1 69.13,126.26 69.13,133.47 v1(69.11,133.48)
/SD_DAT1: length 4.6
  Bottom w0.2: J10.8 82.86,151.45 81.95,150.54 RN5.2
/SD_DAT2: length 4.4
  Bottom w0.2: J10.1 83.85,143.75 83.45,143.35 RN4.4
/SD_MISO_P12: length 49.8
  Top w0.2: v1(82.84,149.76) 82.84,145.44 82.33,144.93 76.49,144.93 68.28,136.72 v1(68.28,133.5)
  Bottom w0.2: v1(68.28,133.5) 68.28,124.44 TP17.1 65.77,120.5 U3.16 ; J10.7 83.44,150.35 v1(82.84,149.76) 81.43,149.76 81.41,149.74 RN5.3
/SD_MOSI_P11: length 42.5
  Top w0.2: v1(82.08,145.69) 76.69,145.69 67.39,136.39 v1(67.39,133.5)
  Bottom w0.2: v1(67.39,133.5) 67.39,125.29 66.33,124.23 TP16.1 65.65,123.04 U3.15 ; RN4.2 81.97,144.95 82.08,145.06 v1(82.08,145.69) 82.34,145.95 J10.3
/SD_SCK_P10: length 40.9
  Top w0.2: v1(66.47,133.5) 66.47,136.04 76.52,146.09 81.63,146.09 81.83,146.29 81.84,146.29 82.21,146.66 v1(82.21,148.87)
  Bottom w0.2: v1(66.47,133.5) 66.47,129.2 TP19.1 62.85,125.58 U3.14 ; RN5.4 81.07,148.87 v1(82.21,148.87) 82.92,148.15 J10.5
/SDA: length 29.9
  Top w0.2: v1(10.6,131.88) M2.12
  Bottom w0.2: J5.4 3.4,107.87 8.22,112.69 8.22,129.49 v1(10.6,131.88)
/SND_P7: length 40.1
  Top w0.2: v1(89.12,132.08) 89.12,132.18 82.61,138.68 v1(71.75,138.68)
  Bottom w0.2: v1(71.75,138.68) 68.81,135.74 U3.10 ; R8.1 87.18,128.28 TP8.1 89.12,131.16 v1(89.12,132.08)
/T1G: length 16.1
  Top w0.2: v1(10.71,141.88) 10.71,141.3 M2.9
  Bottom w0.2: J9.2 2.48,148.69 6.24,148.69 8.42,146.51 8.42,144.8 9.44,143.79 9.44,143.15 v1(10.71,141.88)
/VSYS: length 122.4
  Top w0.5: v1(37.8,105.65) 37.8,104.27 38.12,103.94 75.12,103.94 v1(75.86,104.67)
  Bottom w0.5: U6.6 82.31,107.69 82.33,107.72 75.88,107.72 ; 35.29,124.93 35.29,115.57 37.07,113.79 TP4.1 37.12,112.44 37.12,106.32 v1(37.8,105.65) ; 35.29,124.93 34.41,124.93 Q2.2 ; 35.29,124.93 37.33,124.93 37.33,130.71 36.06,131.97 36.06,137.4 TP3.1 34.2,139.27 34.2,141.76 33.43,142.53 33.43,154.21 37.89,154.21 39.73,156.06 U3.39 ; 75.88,107.72 C7.1 75.88,110.27 78.9,113.28 R14.2 ; 75.88,107.72 75.88,104.69 v1(75.86,104.67)
